# Altium PCB PCB_sim800c_v1.2.PcbDoc
Units mm, origin at the board's own origin, x right, y up, seen from the top; angles counter-clockwise.
Board outline 71.37 x 86.74 mm, 2 copper layers (Top Layer, Bottom Layer); 78 components, 66 nets, 300 pads, 58 vias.
Unrouted connection lines stored in the file: 2.
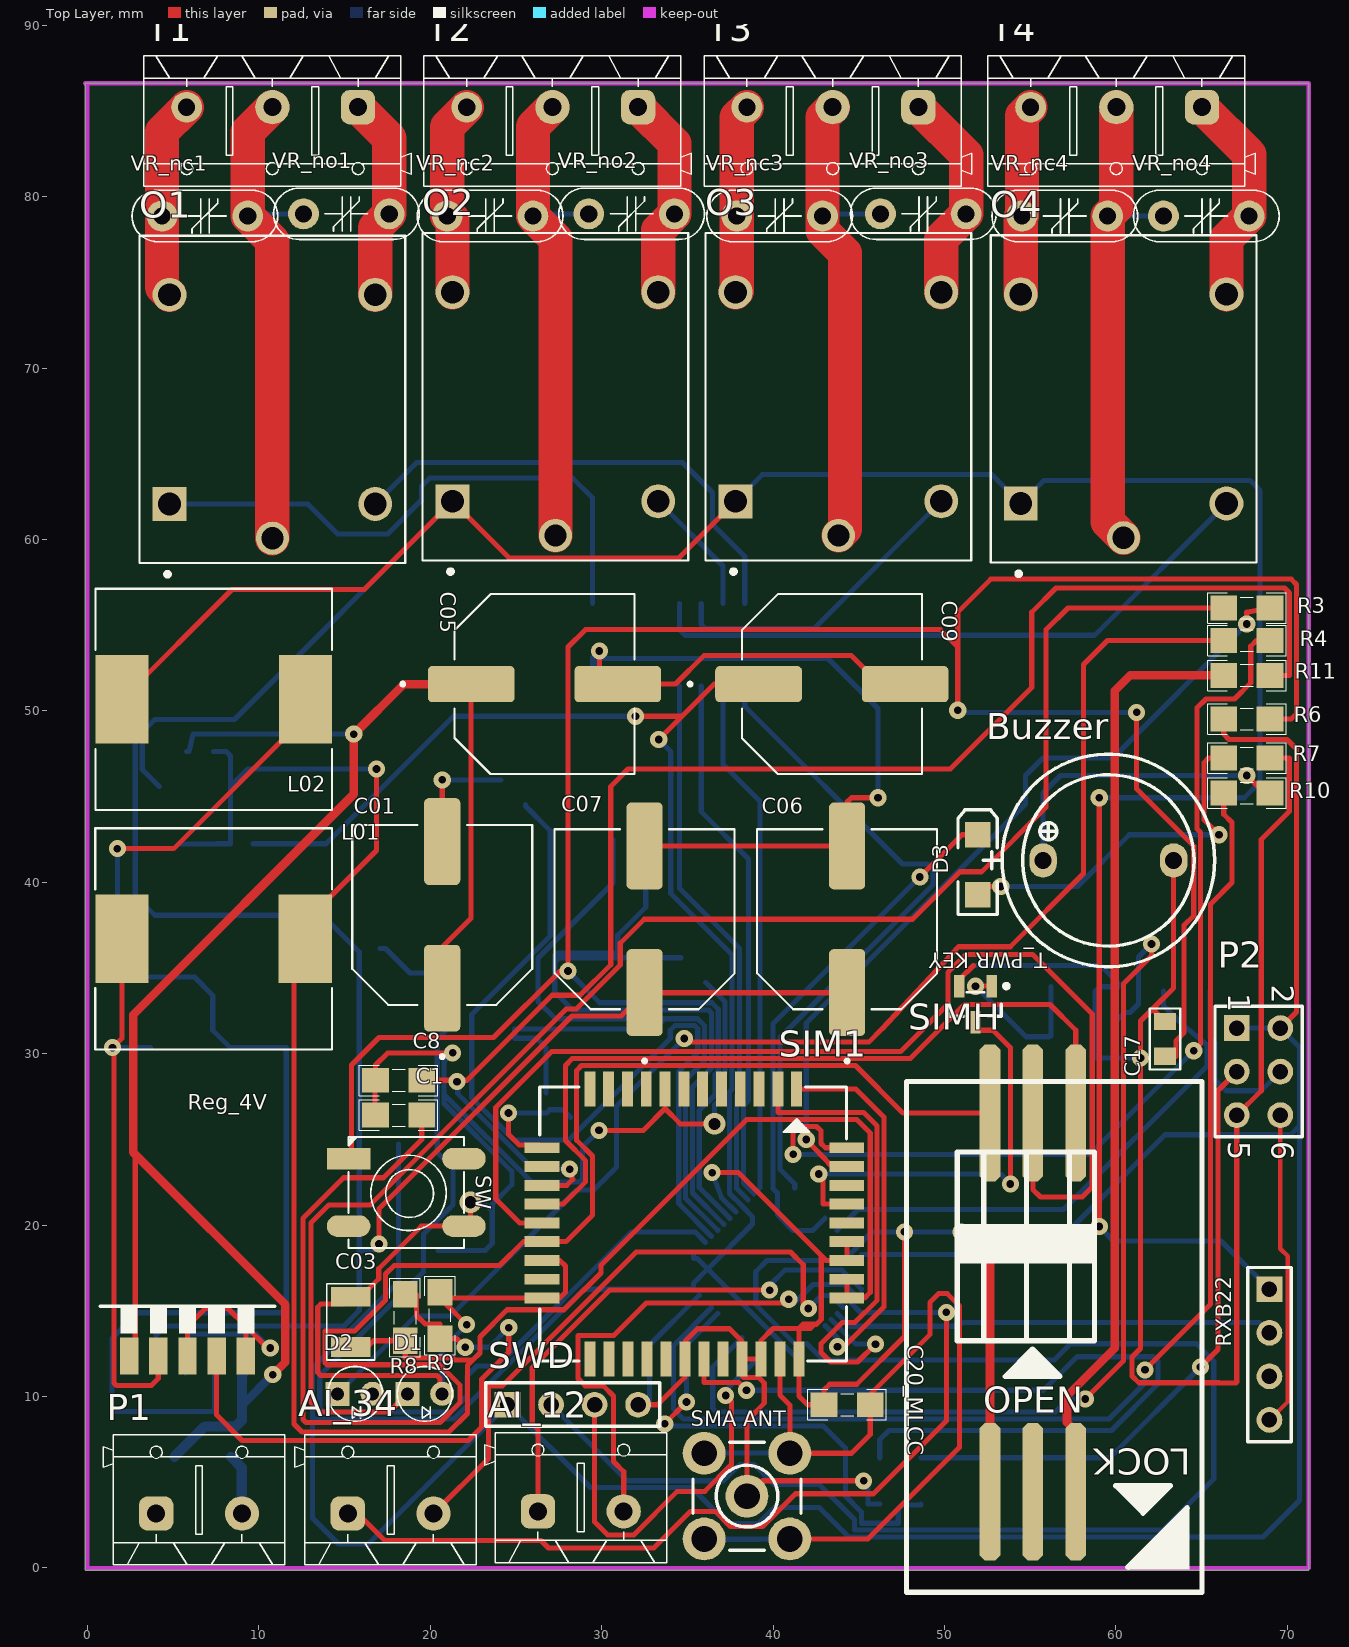
[diagram p0: Top Layer view]
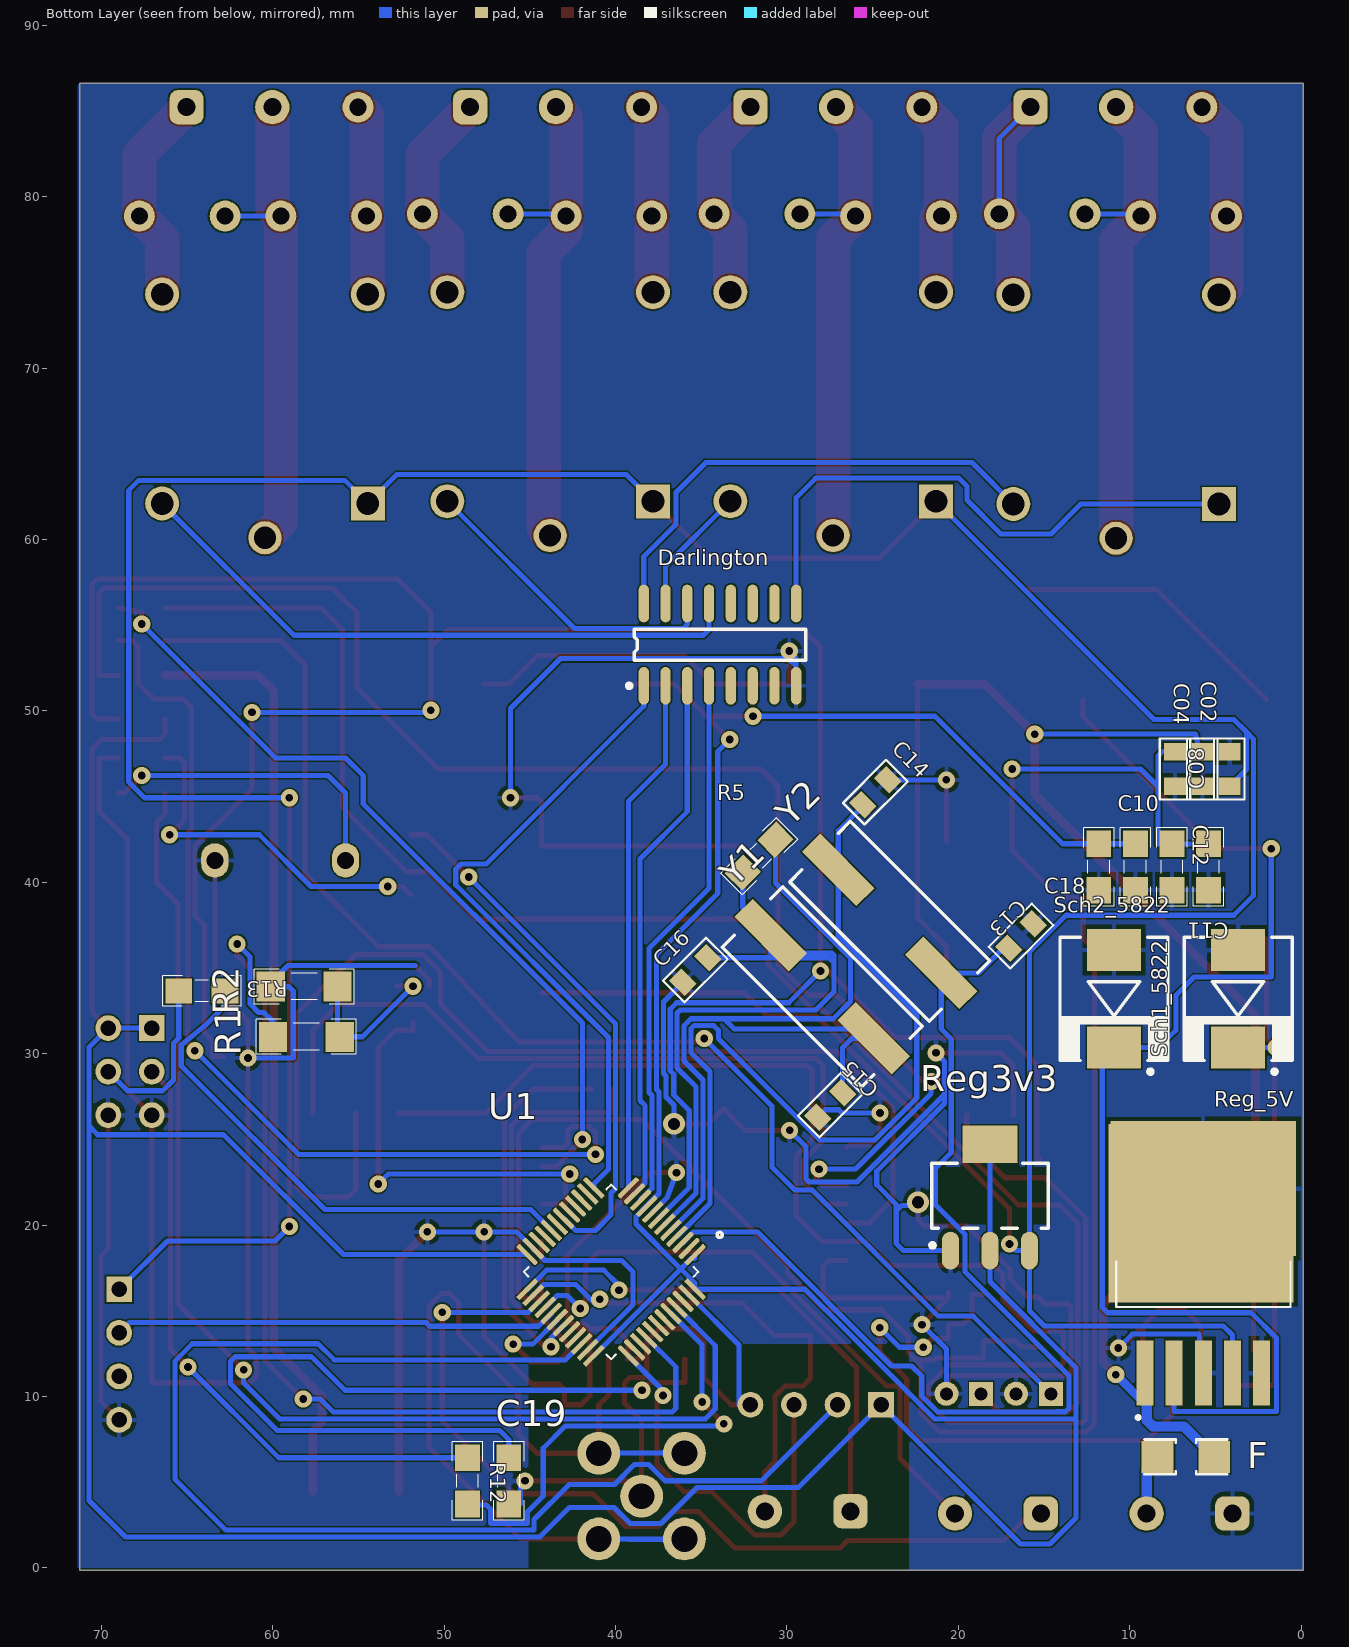
[diagram p1: Bottom Layer view, seen from below]

## Layer stack, top to bottom
Top Solder: solder mask 0.0102, Solder Resist, Dk 3.5
Top Layer: signal copper 0.0356
Dielectric 1: dielectric 0.32, FR-4, Dk 4.8
Bottom Layer: signal copper 0.0356
Bottom Solder: solder mask 0.0102, Solder Resist, Dk 3.5

## Board outline
-0.127,-0.127 71.247,-0.127 71.247,86.614 -0.127,86.614

## Design rules (kind name [scope] priority, off if disabled: settings)
Clearance Clearance_Anten [InNet('NetC20_MLCC_2') vs InNet('NetC20_MLCC_2')] p1: gap=0.1 ignorepadtopadclearanceinfootprint=FALSE except(0.6: Arc-Arc Arc-Track Arc-SMDPad Track-Track Track-SMDPad Via-Via)
Clearance Clearance_1 [All] p2: gap=0.1 ignorepadtopadclearanceinfootprint=FALSE except(0.2: Arc-SMDPad Arc-THPad Track-SMDPad Track-THPad)
PolygonConnect PolygonConnect_1 [All] p1: connectstyle=Relief reliefconductorwidth=0.254 reliefentries=4 polygonreliefangle="90 Angle" airgapwidth=0.254
PolygonConnect [All] p2: connectstyle=Relief reliefconductorwidth=0.254 reliefentries=4 polygonreliefangle="90 Angle" airgapwidth=0.3
RoutingVias [All] p1: holewidth=0.45 width=1 viastyle="Through Hole" minholewidth=0.3 minwidth=0.625 maxholewidth=0.9 maxwidth=2
SolderMaskExpansion [All] p1: expansion=0.102 istentingtop=FALSE
Width [All] p1: maxlimit=3 minlimit=0.254 preferedwidth=0.3
30 further rules are at their usual default settings.

## Classes and differential pairs
component class schematic_GSM_02: C1 C8 C19 C20_MLCC D1 D2 R1 R2 R3 R4 R11 SIM1 SIMH "SMA ANT" "T_PWR KEY"
component class schematic_GSM_01: AI_12 AI_34 Buzzer C01 C02 C03 C04 C05 C06 C07 C08 C09 C10 C11 C12 C13 C14 C15 C16 C17 C18 D3 Darlington F L01 L02 O1 O2 O3 O4 P1 P2 R5 R6 R7 R8 R9 R10 R12 R13 Reg3v3 Reg_4V Reg_5V RXB22 Sch1_5822 Sch2_5822 SW SWD T1 T2 T3 T4 U1 VR_nc1 VR_nc2 VR_nc3 VR_nc4 VR_no1 VR_no2 VR_no3 VR_no4 Y1 Y2

## Components (designator, comment, footprint, x,y, rotation, side; value= is the part's Value field where it differs from the comment)
AI_12 "KF301_Terminal" "KF301 2PIN" 28.789,3.302 r0 top
AI_34 "KF301_Terminal" "KF301 2PIN" 17.693,3.175 r0 top
Buzzer "" "BUZZER 7.62mm DC" 59.563,41.275 r0 top
C1 "0.1uF" CAPC3413X12N 18.161,26.416 r180 top
C01 "100uF" CAPAE1050X1050N 20.701,38.1 r90 top
C02 "100nF" 0805C-TBD 5.779,47.371 r270 bottom
C03 "T100UF" AVX-B 15.367,14.351 r90 top
C04 "100nF" 0805C-TBD 7.366,47.371 r270 bottom
C05 "100uF-220uF" CAPAE1050X1050N 26.67,51.562 r0 top
C06 "330uF-680uF" CAPAE1050X1050N 44.323,37.846 r90 top
C07 "10uF" CAPAE1050X1050N 32.512,37.846 r90 top
C08 "100nF" 0805C-TBD 4.191,45.847 r90 bottom
C8 "22pF_0805" CAPC3413X12N 18.161,28.448 r0 top
C09 "10uF" CAPAE1050X1050N 43.434,51.562 r0 top
C10 "100nF" CAPC3413X12N 9.677,40.894 r270 bottom
C11 "10pF" CAPC3413X12N 5.41,40.894 r270 bottom
C12 "33pF" CAPC3413X12N 7.544,40.894 r270 bottom
C13 "22pF" 0805C-TBD 16.891,36.322 r135 bottom
C14 "22pF" 0805C-TBD 25.387,44.717 r135 bottom
C15 "22pF" 0805C-TBD 26.937,27.546 r315 bottom
C16 "22pF" 0805C-TBD 34.811,35.42 r315 bottom
C17 "100nF" 0805C-TBD 62.865,30.099 r90 top
C18 "0.1uF" CAPC3413X12N 11.811,40.894 r90 bottom
C19 "4.7uF" CAPC3413X12N 46.228,5.08 r270 bottom
C20_MLCC "0.1uF" CAPC3413X12N 44.323,9.525 r0 top
D1 "LED3MM" LED3mm_GRN 19.685,10.16 r0 top
D2 "LED3MM" LED3mm_GRN 15.621,10.16 r0 top
D3 "SMD 1206 LED" "LED 1206" 51.943,41.021 r90 top
Darlington "ULN2003A" SO16_N 33.909,53.861 r90 bottom
F "F=1.0 A" "1206 FUSE" 6.731,6.477 r0 bottom
L01 "100uH/3A" IND_SCIHP1367-100M 7.366,36.703 r0 top
L02 "330uH" IND_SCIHP1367-100M 7.382,50.673 r180 top
O1 "SRD-05VDC-SL-C" RELAY_SRD-05VDC-SL-C 10.795,68.171 r90 top
O2 "SRD-05VDC-SL-C" RELAY_SRD-05VDC-SL-C 27.305,68.326 r90 top
O3 "SRD-05VDC-SL-C" RELAY_SRD-05VDC-SL-C 43.815,68.326 r90 top
O4 "SRD-05VDC-SL-C" RELAY_SRD-05VDC-SL-C 60.452,68.199 r90 top
P1 "KF301_Terminal" "KF301 2PIN" 6.517,3.175 r0 top
P2 "Header 3X2" HDR2X3 67.056,31.496 r270 top
R1 "1K" RESC4817X04N 58.039,30.988 r0 bottom
R2 "1K" RESC4817X04N 58.166,33.909 r0 bottom
R3 "1K" RESC3413X04N 67.644,56.007 r0 top
R4 "1K" RESC3413X04N 67.644,54.102 r0 top
R5 "10M" RESC3413X04N 31.623,41.529 r315 bottom
R6 "10k" RESC3413X04N 67.644,49.53 r0 top
R7 "1K" RESC3413X04N 67.644,47.244 r0 top
R8 "2.2k" RESC3413X04N 18.542,14.605 r90 top
R9 "1k" RESC3413X04N 20.574,14.732 r90 top
R10 "470" RESC3413X04N 67.644,45.212 r0 top
R11 "22_0805" RESC3413X04N 67.644,52.07 r0 top
R12 "100k" RESC3413X04N 48.641,5.08 r270 bottom
R13 "100k" RESC3413X04N 64.135,33.655 r0 bottom
Reg3v3 "3V3" SOT223 18.161,21.717 r90 bottom
Reg_4V "LM2596ADJ" LM2596ADJ 5.842,18.161 r0 top
Reg_5V "LM2596S-5.0" TO170P1524X483-6N 5.715,17.78 r90 bottom
RXB22 "Header 4" "HDR 1X4" 68.961,16.256 r270 top
Sch1_5822 "1n5822" DO-214AB(SMC) 3.683,33.203 r270 bottom
Sch2_5822 "1n5822" DO-214AB(SMC) 10.922,33.203 r270 bottom
SIM1 "GSM Module" SIM800C 41.379,27.813 r0 top
SIMH "SIM HOLDER" "SIM HOLDER 6" 52.658,26.545 r90 top
"SMA ANT" "Antenna" SMA 38.481,4.191 r270 top
SW "SW-PB-BLACK-SMD" SW-PB-SMD 15.24,23.876 r0 top
SWD "Header 4" "HDR 1X4" 24.511,9.525 r0 top
T1 "KF301_Terminal" "KF301 3PIN" 10.795,85.217 r180 top
T2 "KF301_Terminal" "KF301 3PIN" 27.131,85.217 r180 top
T3 "KF301_Terminal" "KF301 3PIN" 43.481,85.217 r180 top
T4 "KF301_Terminal" "KF301 3PIN" 60.024,85.217 r180 top
"T_PWR KEY" "BC817" SOT23_N 51.816,32.893 r270 top
U1 "STM32F103C8T6" QFP50P900X900X160-48N 40.259,17.272 r315 bottom
VR_nc1 "xxDxxx" "07D XXX" 6.858,78.867 r180 top
VR_nc2 "xxDxxx" "07D XXX" 23.495,78.867 r180 top
VR_nc3 "xxDxxx" "07D XXX" 40.386,78.867 r180 top
VR_nc4 "xxDxxx" "07D XXX" 57.023,78.867 r180 top
VR_no1 "xxDxxx" "07D XXX" 15.113,78.994 r0 top
VR_no2 "xxDxxx" "07D XXX" 31.75,78.994 r0 top
VR_no3 "xxDxxx" "07D XXX" 48.768,78.994 r0 top
VR_no4 "xxDxxx" "07D XXX" 65.278,78.867 r0 top
Y1 "8MHz" "Crystal SMD" 27.94,33.909 r45 bottom value="12 MHz"
Y2 "32.768KHz" "Crystal SMD" 24.003,37.719 r45 bottom value="12 MHz"

## Footprints (in the part's own frame and the unit in brackets; to place one, negate y for a bottom-side part, rotate by r counter-clockwise, add the part's x,y. Pads: shape width x height; smd on the part's side, far side on the other; paste and mask are expansions set on the pad)
"07D XXX" [mm] "MOV-07DxxxK Metal Oxide Varistors (MOVs) are 7 mm-Design:Abbas Basereh"
  round 1.8 hole 1: 1(2.5,0) 2(-2.5,0)
  silkscreen extent -4.25,-1.5 4.25,1.5, body extent -4,-1.26 4,1.25, height 11
0805C-TBD [mil] "CAPACITOR 0805"
  rect 40x50 smd: 1(-10,0) 2(70,0)
  silkscreen extent -40,-35 100,35, body extent -11,-25 70,25, height 26
"1206 FUSE" [mm] "Fast Acting Smd 1206 non-Resettable Fuse Chip For Pcb Board-Design:Abbas Basereh"
  rect 1.85x1.85 smd: 1(-1.65,0) 2(1.65,0)
  silkscreen extent -2.41,-1.02 2.41,1.02, body extent -1.6,-0.8 1.6,0.8, height 1
AVX-B [mil]
  rect 45x90 smd: NEG(57.5,0) POS(-57.5,0)
  silkscreen extent -88,-55 88,55
"BUZZER 7.62mm DC" [mm] "BUZZER 12mm DIA , 7.62mm pitch DESIGNER ABBAS BASEREH"
  oval 1.6x2 hole 1: 1(-3.81,0) 2(3.81,0)
  silkscreen extent -7.3,-6.2 6.2,6.2, body extent -6,-6 6,6, height 9.5
CAPAE1050X1050N [mm]
  rrect25% 5.06x2.11 smd: 1(-4.275,0) 2(4.275,0)
  silkscreen extent -8.37,-5.25 5.25,5.25
CAPC3413X12N [mm] "Chip Capacitor, 2-Leads, Body 3/40x1/30mm, IPC Medium Density-Design:Abbas Basereh"
  rect 1.55x1.45 smd: 1(-1.35,0) 2(1.35,0)
  silkscreen extent -2.29,-0.89 2.29,0.89, body extent -1,-0.63 1,0.63, height 0.78
"Crystal SMD" [mm] "DESIGNER ABBAS BASEREH"
  rect 4.5x1.5 smd: 1(-4.25,0) 2(4.25,0)
  silkscreen extent -5.75,-2.5 5.75,2.5, body extent -6.21,-2.25 6.09,2.25, height 5.18
DO-214AB(SMC) [mm] "Molded Diode, 2-Leads, Body 6/85x5/90mm, IPC Medium Density DESIGNER ABBAS BASEREH"
  rect 2.45x3.15 smd: 1(-2.85,0) 2(2.85,0)
  silkscreen extent -3.6,-3.2 4.37,3.15, body extent -3.77,-3.11 3.78,3.11, height 2.62
HDR2X3 [mm] "Connector; Header; 3x2 Position"
  rect 1.5x1.5 hole 0.9: 1(0,0)
  round 1.5 hole 0.9: 2(0,2.54) 3(2.54,0) 4(2.54,2.54) 5(5.08,0) 6(5.08,2.54)
  silkscreen extent -1.27,-1.27 6.35,3.81, body extent -1.27,-1.26 6.35,3.82, height 8.38
"HDR 1X4" [mm] "Connector; Header; 4 Position"
  rect 1.5x1.5 hole 0.9: 1(0,0)
  round 1.5 hole 0.9: 2(2.54,0) 3(5.08,0) 4(7.62,0)
  silkscreen extent -1.27,-1.27 8.89,1.27, body extent -1.26,-1.27 8.89,1.26, height 8.51
IND_SCIHP1367-100M [mm]
  rect 3.1x5.15 smd: 1(-5.35,0) 2(5.35,0)
  silkscreen extent -6.9,-6.45 6.9,6.45
"KF301 2PIN" [mm] "Designer Abbas Basereh"
  rrect50% 2x2 hole 1.05: 1(-2.5,0)
  round 2 hole 1.05: 2(2.5,0)
  silkscreen extent -5.6,-3 5,4.6, body extent -5.6,-3 5,4.6, height 10
"KF301 3PIN" [mm] "Designer Abbas Basereh"
  rrect50% 2x2 hole 1.05: 1(-5,0)
  round 2 hole 1.05: 2(0,0)
  round 1.8 hole 1: 3(5,0)
  silkscreen extent -8.1,-3 7.5,4.6, body extent -8.1,-3 7.5,4.6, height 10
LED3mm_GRN [mil]
  rect 55x55 hole 30: 1(-40,0)
  round 55 hole 30: 2(40,0)
  silkscreen extent -63,-63 63,63, body extent -69,-69 69,69, height 154
"LED 1206" [mm]
  rect 1.5x1.5 smd: 1(-1.75,0) 2(1.75,0)
  silkscreen extent -2.9,-1.15 3.2,1.15, body extent -1.65,-0.72 1.65,0.73, height 1.36
LM2596ADJ [mil]
  rect 42x85 smd: 1(-134,-228) 2(-67,-228) 3(0,-228) 4(67,-228) 5(134,-228)
  rect 425.2x409.84 smd far side: 6(0,100)
  silkscreen extent -201,-176 201,-110
QFP50P900X900X160-48N [mm]
  rrect50% 1.56x0.28 smd: 1(-4.18,2.75) 2(-4.18,2.25) 3(-4.18,1.75) 4(-4.18,1.25) 5(-4.18,0.75) 6(-4.18,0.25) 7(-4.18,-0.25) 8(-4.18,-0.75) 9(-4.18,-1.25) 10(-4.18,-1.75) 11(-4.18,-2.25) 12(-4.18,-2.75) 25(4.18,-2.75) 26(4.18,-2.25) 27(4.18,-1.75) 28(4.18,-1.25) 29(4.18,-0.75) 30(4.18,-0.25) 31(4.18,0.25) 32(4.18,0.75) 33(4.18,1.25) 34(4.18,1.75) 35(4.18,2.25) 36(4.18,2.75)
  rrect50% 0.28x1.56 smd: 13(-2.75,-4.18) 14(-2.25,-4.18) 15(-1.75,-4.18) 16(-1.25,-4.18) 17(-0.75,-4.18) 18(-0.25,-4.18) 19(0.25,-4.18) 20(0.75,-4.18) 21(1.25,-4.18) 22(1.75,-4.18) 23(2.25,-4.18) 24(2.75,-4.18) 37(2.75,4.18) 38(2.25,4.18) 39(1.75,4.18) 40(1.25,4.18) 41(0.75,4.18) 42(0.25,4.18) 43(-0.25,4.18) 44(-0.75,4.18) 45(-1.25,4.18) 46(-1.75,4.18) 47(-2.25,4.18) 48(-2.75,4.18)
  silkscreen extent -6.15,-3.6 3.6,3.6
RELAY_SRD-05VDC-SL-C [mm]
  rect 1.98x1.98 hole 1.32: A1(-6.1,6)
  round 1.98 hole 1.32: A2(-6.1,-6) NC(6.1,6) NO(6.1,-6)
  round 1.935 hole 1.29: COM(-8.1,0)
  silkscreen extent -10.3,-7.75 9.55,7.75
RESC3413X04N [mm] "Chip Resistor, 2-Leads, Body 3/40x1/30mm, IPC Medium Density-Design:Abbas Basereh"
  rect 1.55x1.45 smd: 1(-1.35,0) 2(1.35,0)
  silkscreen extent -2.29,-0.89 2.29,0.89, body extent -1.25,-0.62 1.25,0.62, height 0.79
RESC4817X04N [mm] "Chip Resistor, 2-Leads, Body 4/80x1/70mm, IPC Medium Density-Design:Abbas Basereh"
  rect 1.65x1.75 smd: 1(-1.95,0) 2(1.95,0)
  silkscreen extent -2.92,-1.02 2.92,1.02, body extent -1.6,-0.8 1.6,0.8, height 1
SIM800C [mil]
  rect 25x80 smd: 1(0,5) 2(-43.18,5) 3(-86.36,5) 4(-129.55,5) 5(-172.73,5) 6(-215.91,5) 7(-259.09,5) 8(-302.27,5) 9(-345.46,5) 10(-388.64,5) 11(-431.82,5) 12(-475,5) 22(-475,-615) 23(-431.36,-615) 24(-387.73,-615) 25(-344.09,-615) 26(-300.46,-615) 27(-256.82,-615) 28(-213.18,-615) 29(-169.55,-615) 30(-125.91,-615) 31(-82.27,-615) 32(-38.64,-615) 33(5,-615)
  rect 80x25 smd: 13(-585,-130) 14(-585,-173.12) 15(-585,-216.25) 16(-585,-259.37) 17(-585,-302.5) 18(-585,-345.62) 19(-585,-388.75) 20(-585,-431.87) 21(-585,-475) 34(115,-475) 35(115,-431.87) 36(115,-388.75) 37(115,-345.62) 38(115,-302.5) 39(115,-259.37) 40(115,-216.25) 41(115,-173.12) 42(115,-130)
  silkscreen extent -590,-620 115,10, body extent -583,-613 110,5, height 88
"SIM HOLDER 6" [mm]
  oct 8x1.2 smd: 1(0,0) 2(0,-2.5) 3(0,-5) 4(-22.1,0) 5(-22.1,-2.5) 6(-22.1,-5)
  silkscreen extent -27.96,-12.36 1.84,4.86, body extent -27.91,-12.36 1.79,4.84, height 2.35
SMA [mm]
  round 2.5 hole 1.5: 1(0,0) 2(-2.5,2.5) 2(-2.5,-2.5) 2(2.5,2.5) 2(2.5,-2.5)
  silkscreen extent -3.15,-3.15 3.15,3.15, body extent -3.25,-3.25 3.25,3.25, height 10.2
SO16_N [mm] "16-Pin Small Outline Integrated Circuit 1.27 mm Pitch, IPC Medium Density - DESIGNER ABBAS BASEREH"
  oval 2.2x0.6 smd: 1(-2.4,4.445) 2(-2.4,3.175) 3(-2.4,1.905) 4(-2.4,0.635) 5(-2.4,-0.635) 6(-2.4,-1.905) 7(-2.4,-3.175) 8(-2.4,-4.445) 9(2.4,-4.445) 10(2.4,-3.175) 11(2.4,-1.905) 12(2.4,-0.635) 13(2.4,0.635) 14(2.4,1.905) 15(2.4,3.175) 16(2.4,4.445)
  silkscreen extent -2.52,-5 0.9,5.42, body extent -3,-4.97 3,4.96, height 1.62
SOT23_N [mm] "SOT23, 3-Leads, Body 2.9x1.3mm, Pitch 0.95mm, Lead Span 2.3mm, IPC Medium Density"
  rect 1.3x0.6 smd: 1(-1.05,0.95) 2(-1.05,-0.95) 3(1.05,0)
  silkscreen extent -1.17,-1.5 0.7,1.93, body extent -1.27,-1.5 1.27,1.5, height 1.1
SOT223 [mm] "SOT223, 4-Leads, Body 6.5x3.5mm, Pitch 2.30mm-Designer Abbas Basereh"
  oval 2.2x1 smd: 1(-3.2,2.3) 2(-3.2,0) 3(-3.2,-2.3)
  rect 2.2x3.2 smd: 4(3,0)
  Top Layer pour cut-out: -1.7,3.556 1.7,3.556 1.7,-3.556 -1.7,-3.556
  silkscreen extent -3.02,-3.4 1.9,3.48, body extent -3.5,-3.25 3.5,3.25, height 1.7
SW-PB-SMD [mil]
  rect 100x50 smd: 1(0,0)
  oval 100x50 smd: 2(265,-155) 3(0,-155) 4(265,0)
  silkscreen extent 0,-205 265,50, body extent -28,-206 297,50, height 140
TO170P1524X483-6N [mm]
  rect 3.79x0.99 smd: 1(-6.4,3.4) 2(-6.4,1.7) 3(-6.4,0) 4(-6.4,-1.7) 5(-6.4,-3.4)
  rect 7.88x10.84 smd paste-6: 6(4.35,0)
  silkscreen extent -9.1,-5.08 0.09,5.08

## Part data
AI_12 AI_34 P1: library part KF301-2Pin_Terminal, "Terminal 2 Pin 250VAC 16A", Designer="Abbas Basereh", Link=https://www.aliexpress.com/item/, Part. No="KF301 2P"
Buzzer: library part "PIEZO BUZZER", "PIEZO BUZZER ACTIVE", Comment_1="SPEAKER AND BEEP", ComponentLink2Description=Reference, Design Date=1395/11/14, Designer="Abbas Basereh", Mounting Technology=THD, PackageDescription=THD, Pin Count=2, Publisher="Abbas Basereh", Status=Unreleased
C1 C8 C10 C11 C12 C18 C19 C20_MLCC: library part "CAP SMD 0805", "CAP 0805", Data=16-12-2016, Desc.="CAP SMD 0805", Designer="Abbas Basereh"
C01 C05 C06 C07 C09: library part MAL214699103E3, "100ÂµF 50V Aluminum Electrolytic Capacitors Radial, Can - SMD 1500 Hrs @ 125Â°C", Package="Radial Vishay BC", Digi-Key_Part_Number=4437PHCT-ND, DigiKey-Purchase-URL=https://snapeda.com/shop?store=DigiKey&id=285948, MF="Vishay BC", Mouser-Purchase-URL=https://snapeda.com/shop?store=Mouser&id=285948, MP=MAL214699103E3, SnapEDA_Link=https://www.snapeda.com/parts/MAL214699103E3/Vishay%20BC%20Components/view-part/285948/?ref=snap
C02 C04 C08 C13 C14 C15 C16 C17: library part 0805C-100nF-25V-X7R-MUR, "CAPACITOR 0805 CERAMIC", Supplier Part Number 1=490-1673-1-ND, Supplier 1=Digi-Key
C03: library part TANTALUM-SMD-100UF-6.3V(AVX-B), "100ÂµF Molded Tantalum Capacitors 6.3V 1411 _3528 Metric_, 1210 1.7Ohm", Package="1210 AVX Interconnect / Elco", Availability=Unavailable, MF="AVX Interconnect / Elco", MP=TAJB107M006RNJ, Price=None, SnapEDA_Link=https://www.snapeda.com/parts/TAJB107M006RNJ/AVX%20Interconnect%20/%20Elco/view-part/105606/?ref=snap
D1 D2: library part "LED 3MM", "Light Emitting Diode", Designer="Ali Hafizi"
D3: library part "LED SMD 1206"
Darlington: "SEVEN DARLINGTON ARRAYS", ComponentLink1Description=Datasheet, ComponentLink2URL=http://www.st.com, DatasheetVersion="STMicroelectronics GROUP OF COMPANIES", PackageDescription="16-Pin Small Outline Integrated Circuit 1.27 mm Pitch, IPC High Density", PackageReference=SO16_N, PackageVersion=2017-3-2, Published=2017-3-2, Publisher="Abbas Basereh", Supplier 1=Digi-Key, Supplier 2=Mouser, Supplier Part Number 1=ULN2003A, Supplier Part Number 2=ULN2003A
F: library part "Fuse SMD1206", "SMD Fuses 1206", Data=16-12-2016, Desc.="SMD Fuses 1206", Designer="Abbas Basereh"
L01 L02: library part SCIHP1367-4R7M, "High Current Shielded SMD Power Inductor", Package="Nonstandard Signal Transformers", Availability=Bad, Check_prices=https://www.snapeda.com/parts/SCIHP1367-4R7M/Signal%20Transformer/view-part/1550067/?ref=eda, MF="Signal Transformer", MP=SCIHP1367-4R7M, Price=None, SnapEDA_Link=https://www.snapeda.com/parts/SCIHP1367-4R7M/Signal%20Transformer/view-part/1550067/?ref=snap
O1 O2 O3 O4: "5V Trigger Relay Module For Arduino And Raspberry Pi 5V Trigger Relay Module For Arduino And Raspberry Pi", Package=None, Availability=Unavailable, MF="Songle Relay", MP=SRD-05VDC-SL-C, Price=None, SnapEDA_Link=https://www.snapeda.com/parts/SRD-05VDC-SL-C/Songle%20Relay/view-part/1029484/?ref=snap
P2: "Header, 3-Pin, Dual row", LatestRevisionDate=17-Jul-2002, LatestRevisionNote="Re-released for DXP Platform.", Publisher="Altium Limited"
R1 R2: library part "RES 1206 0.25W", "RES 1206", Data=16-12-2016, Desc.="RES SMD 1206", Designer="Abbas Basereh"